# Altium PCB UltraZohm_Analog_Adapter_MAX11331.PcbDoc (part 1 of 2)
Units mm, origin at the board's own origin, x right, y up, seen from the top; angles counter-clockwise.
Board outline 100 x 100 mm, 4 copper layers (Top Layer, GND, VCC, Bottom Layer), stack 1.587 mm thick; 116 components, 143 nets, 539 pads, 190 vias.
Unrouted connection lines stored in the file: 122.
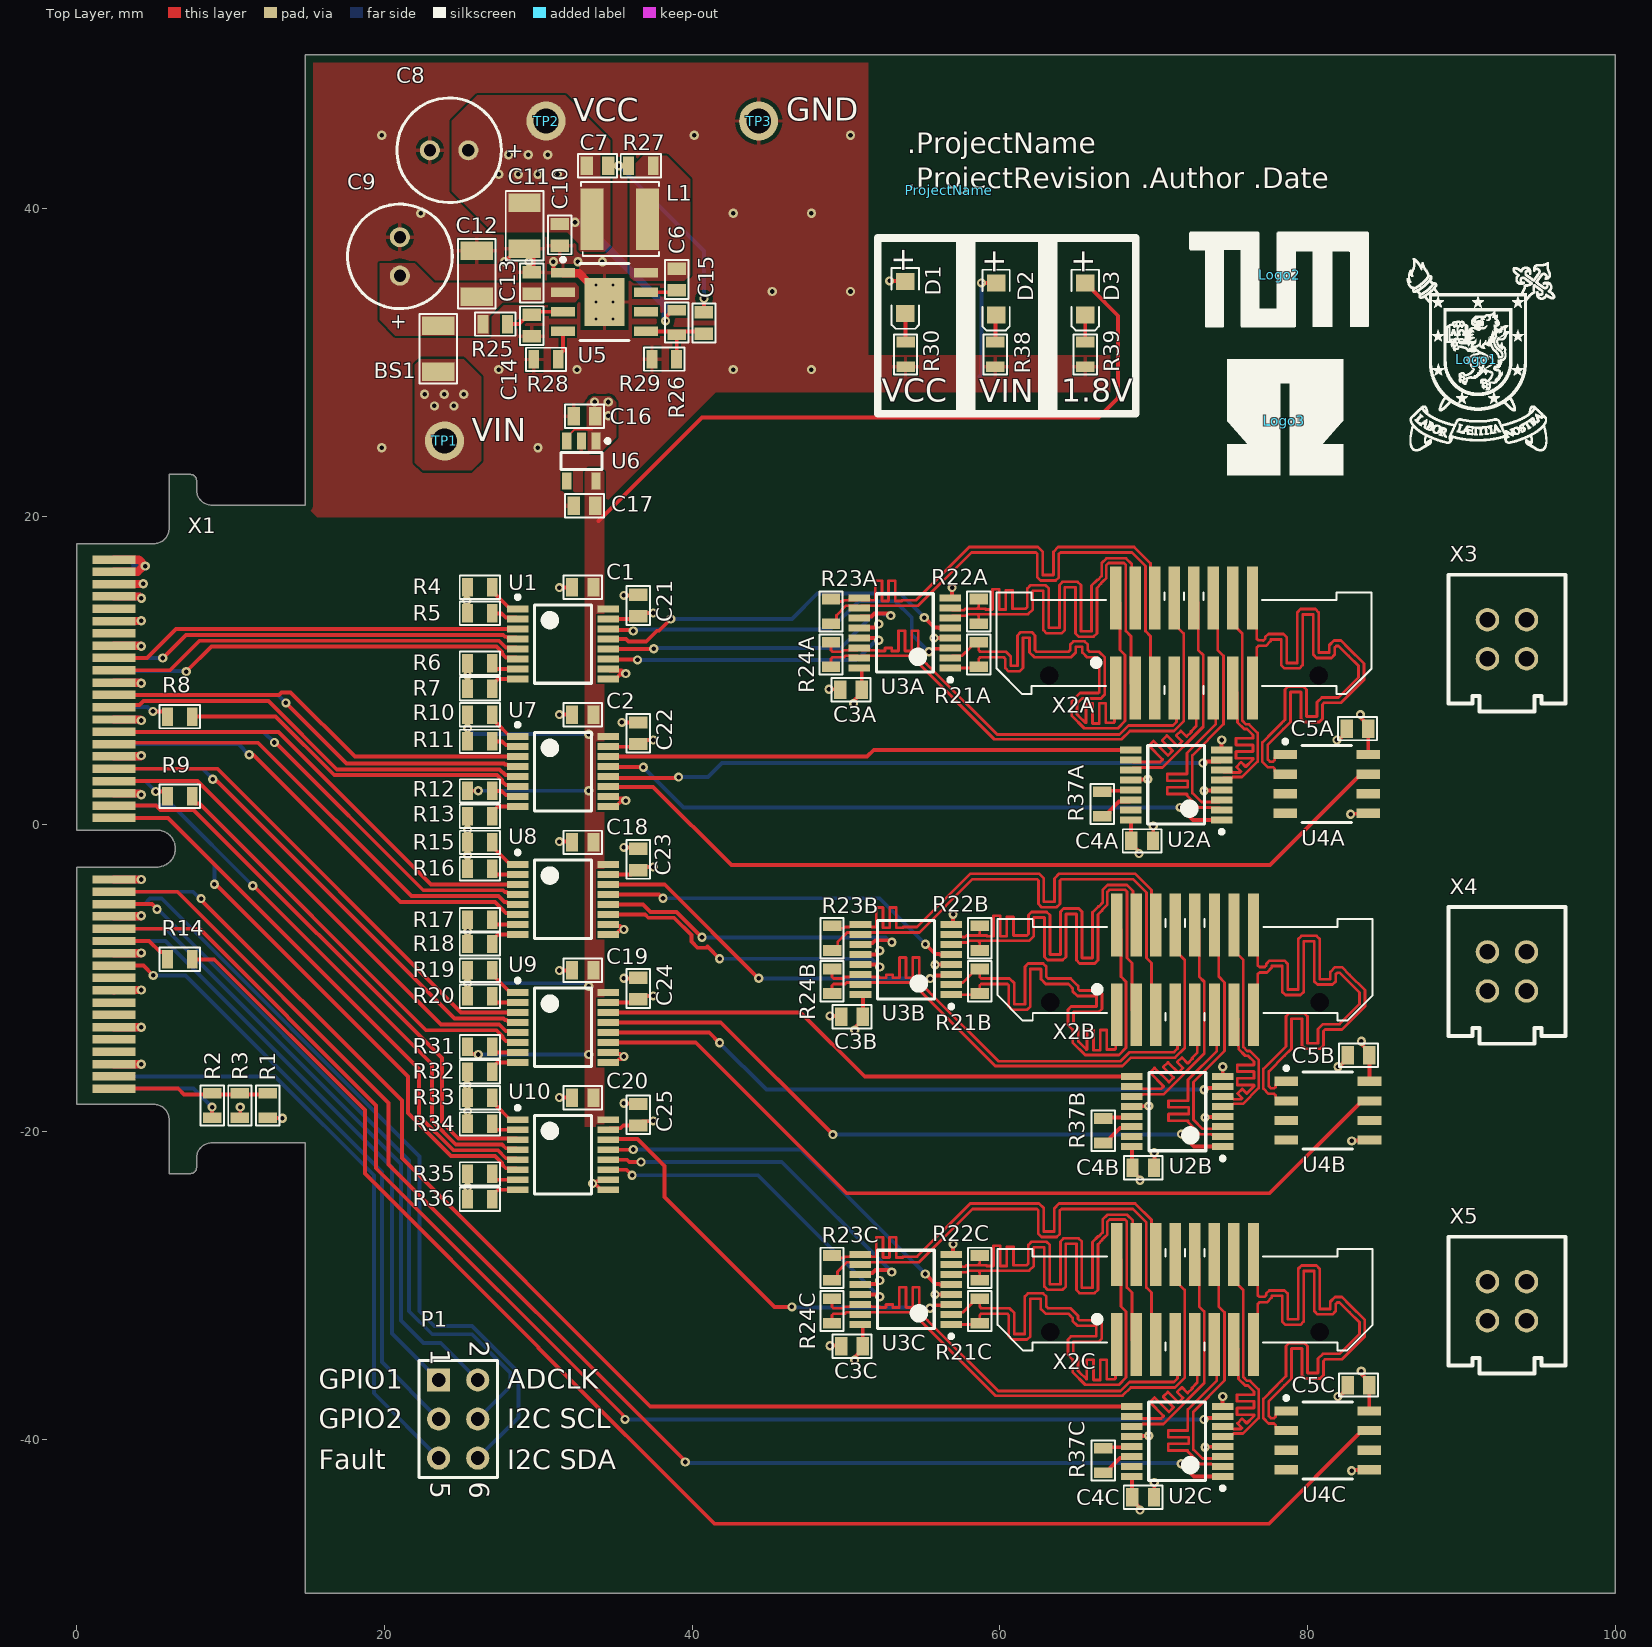
[diagram p0: Top Layer view]
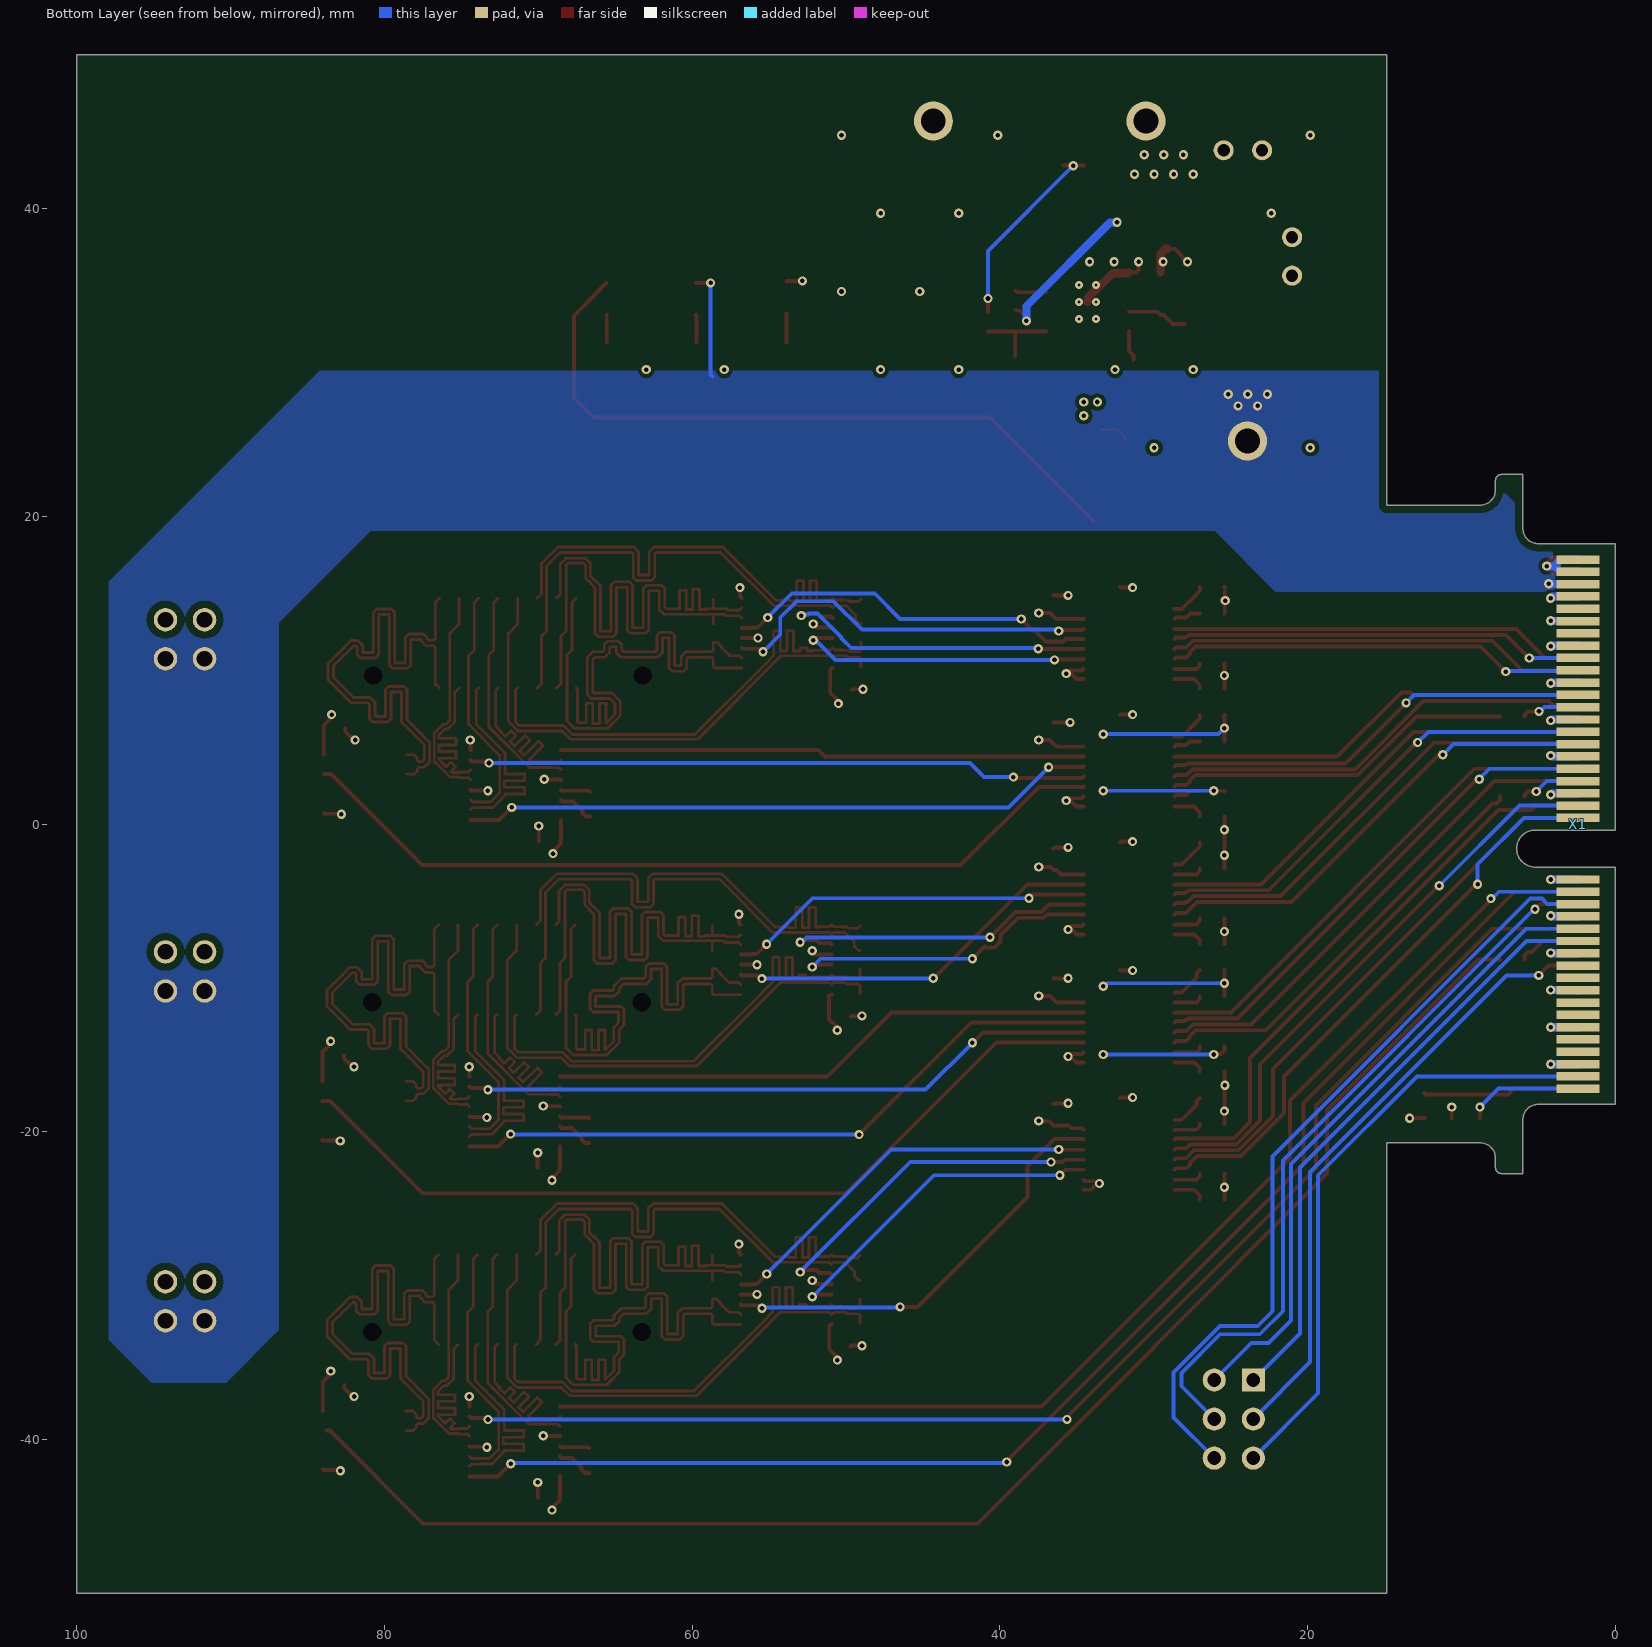
[diagram p1: Bottom Layer view, seen from below]
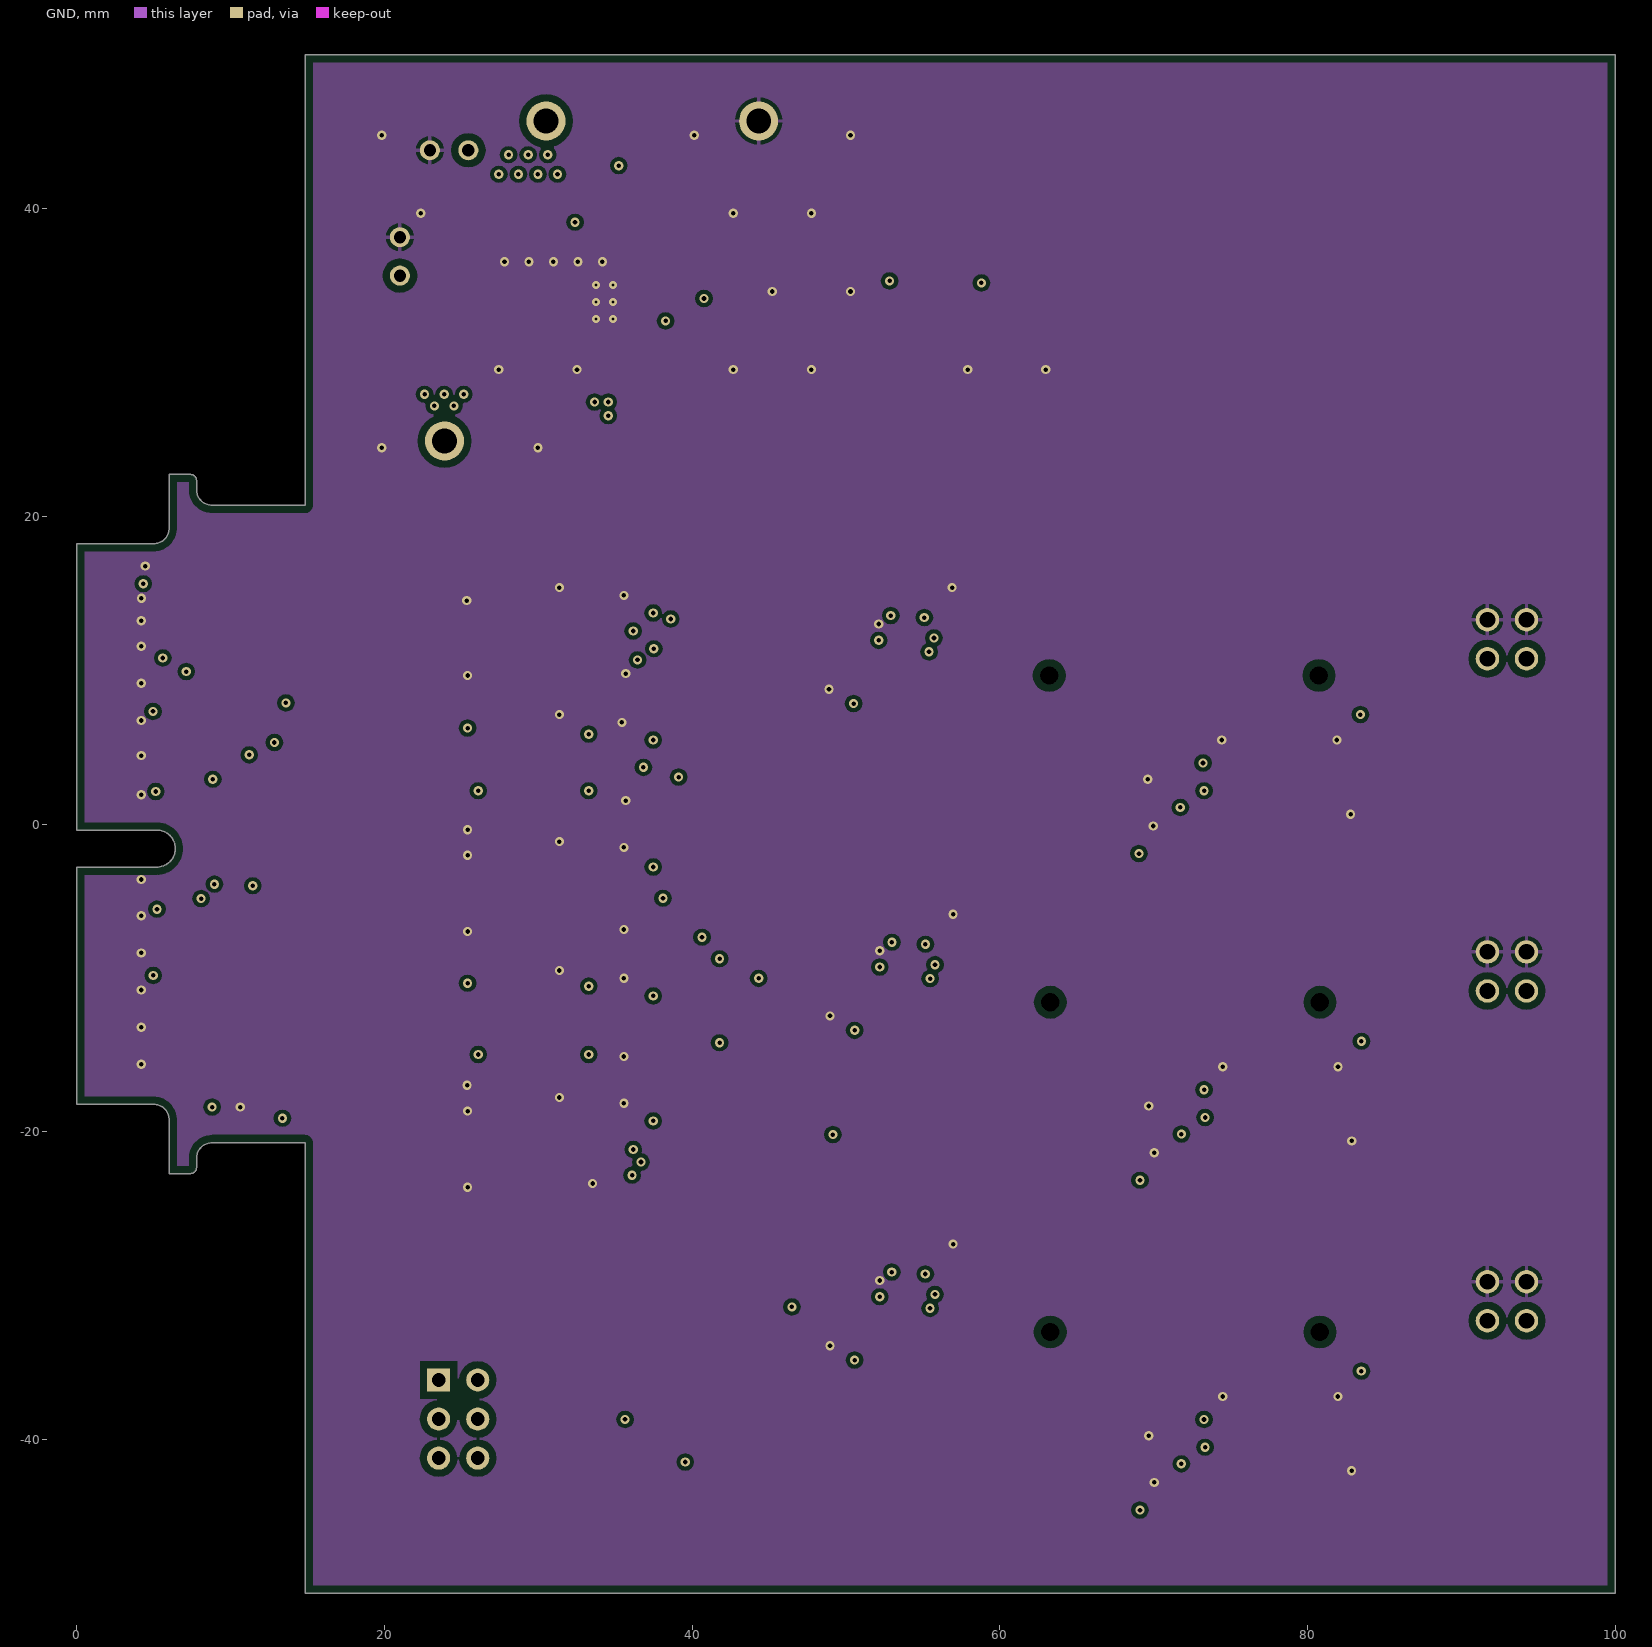
[diagram p2: GND]
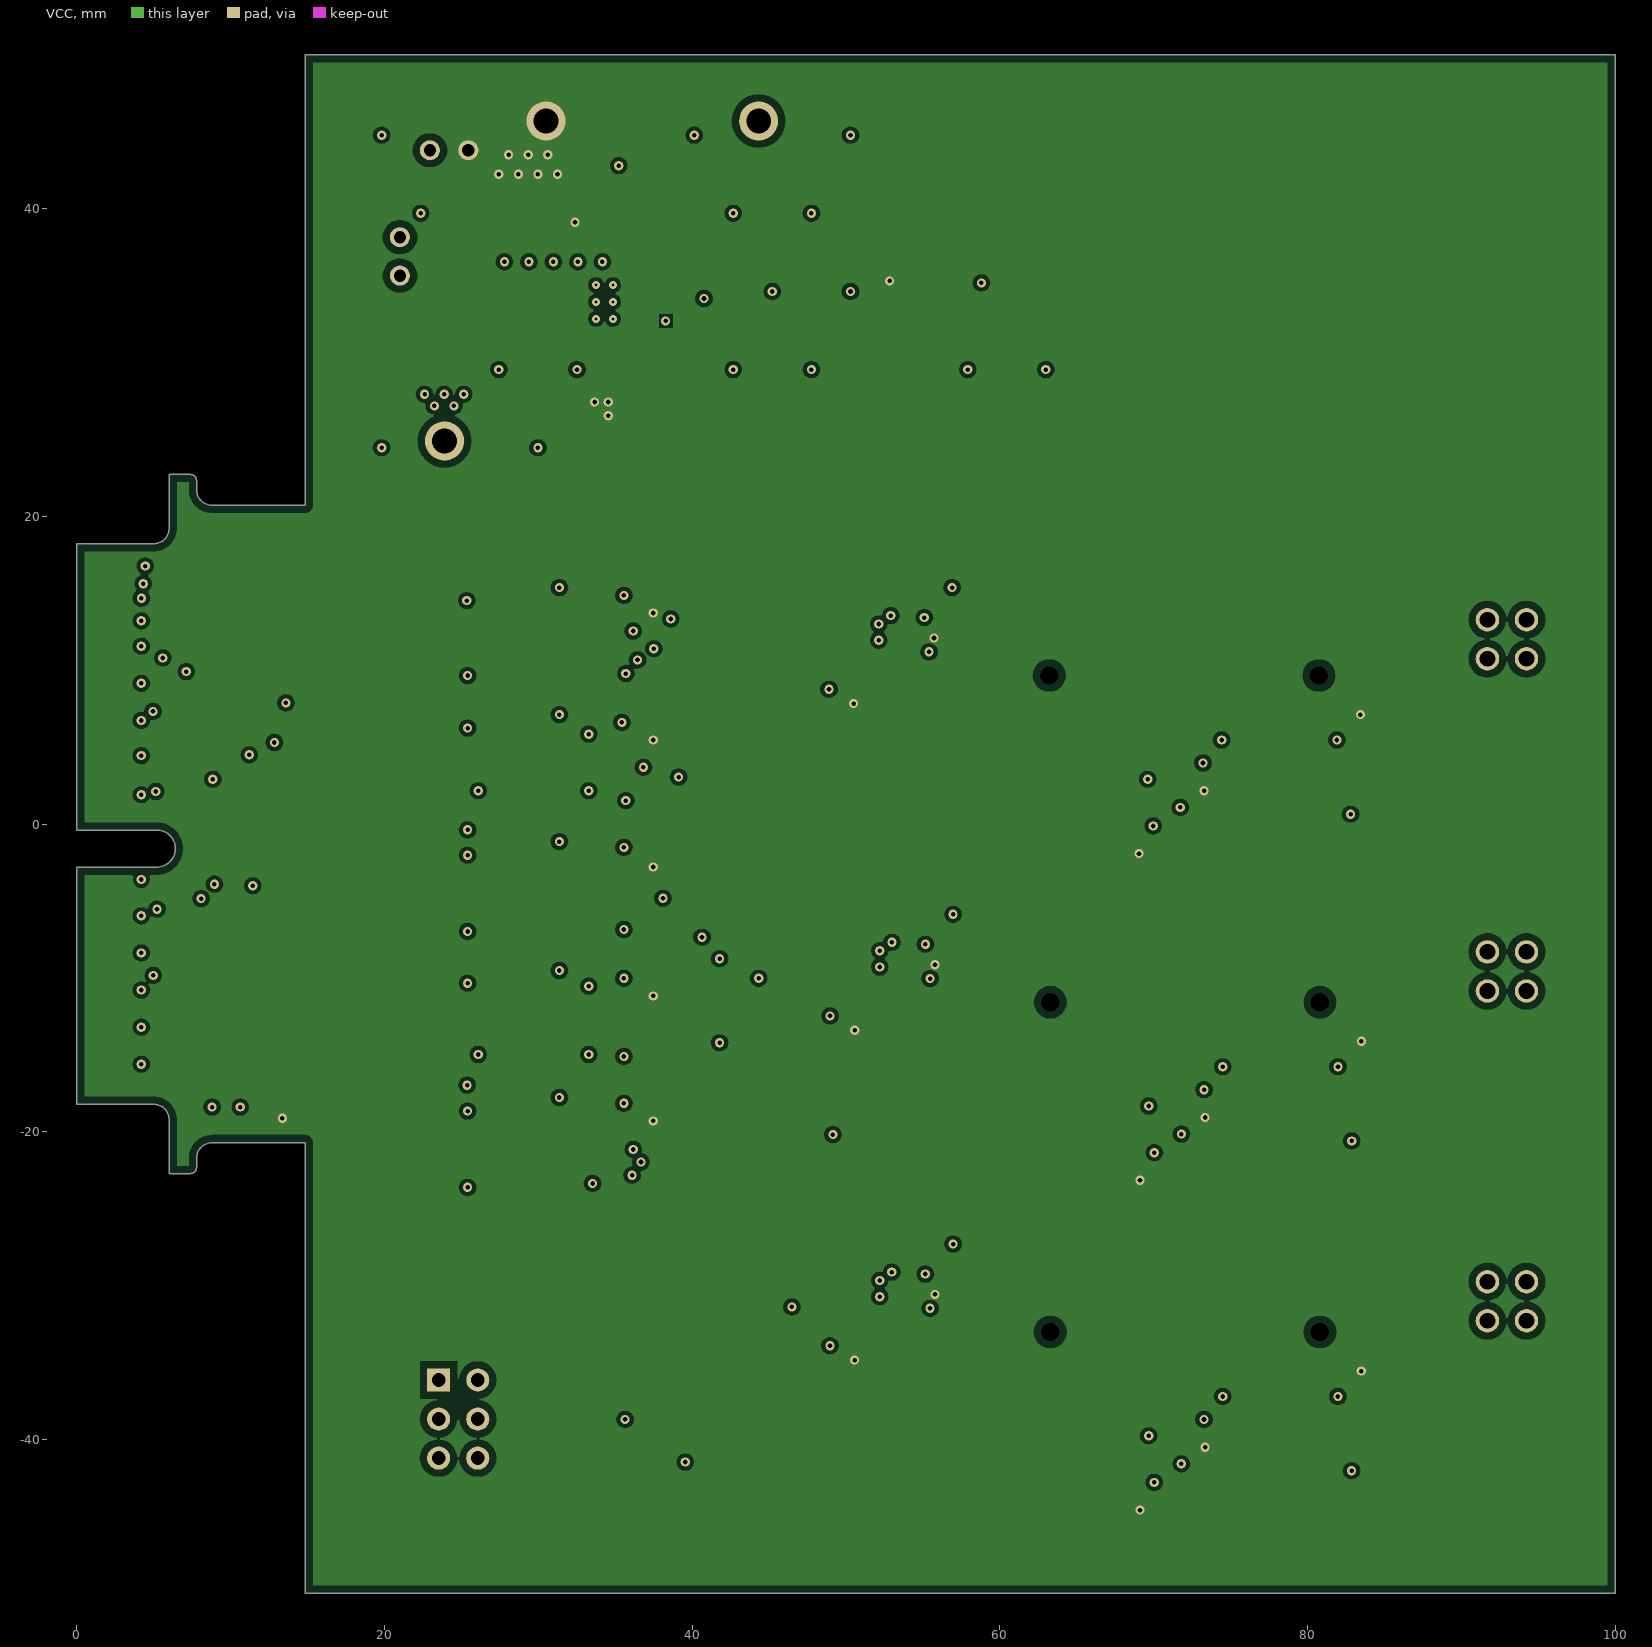
[diagram p3: VCC]
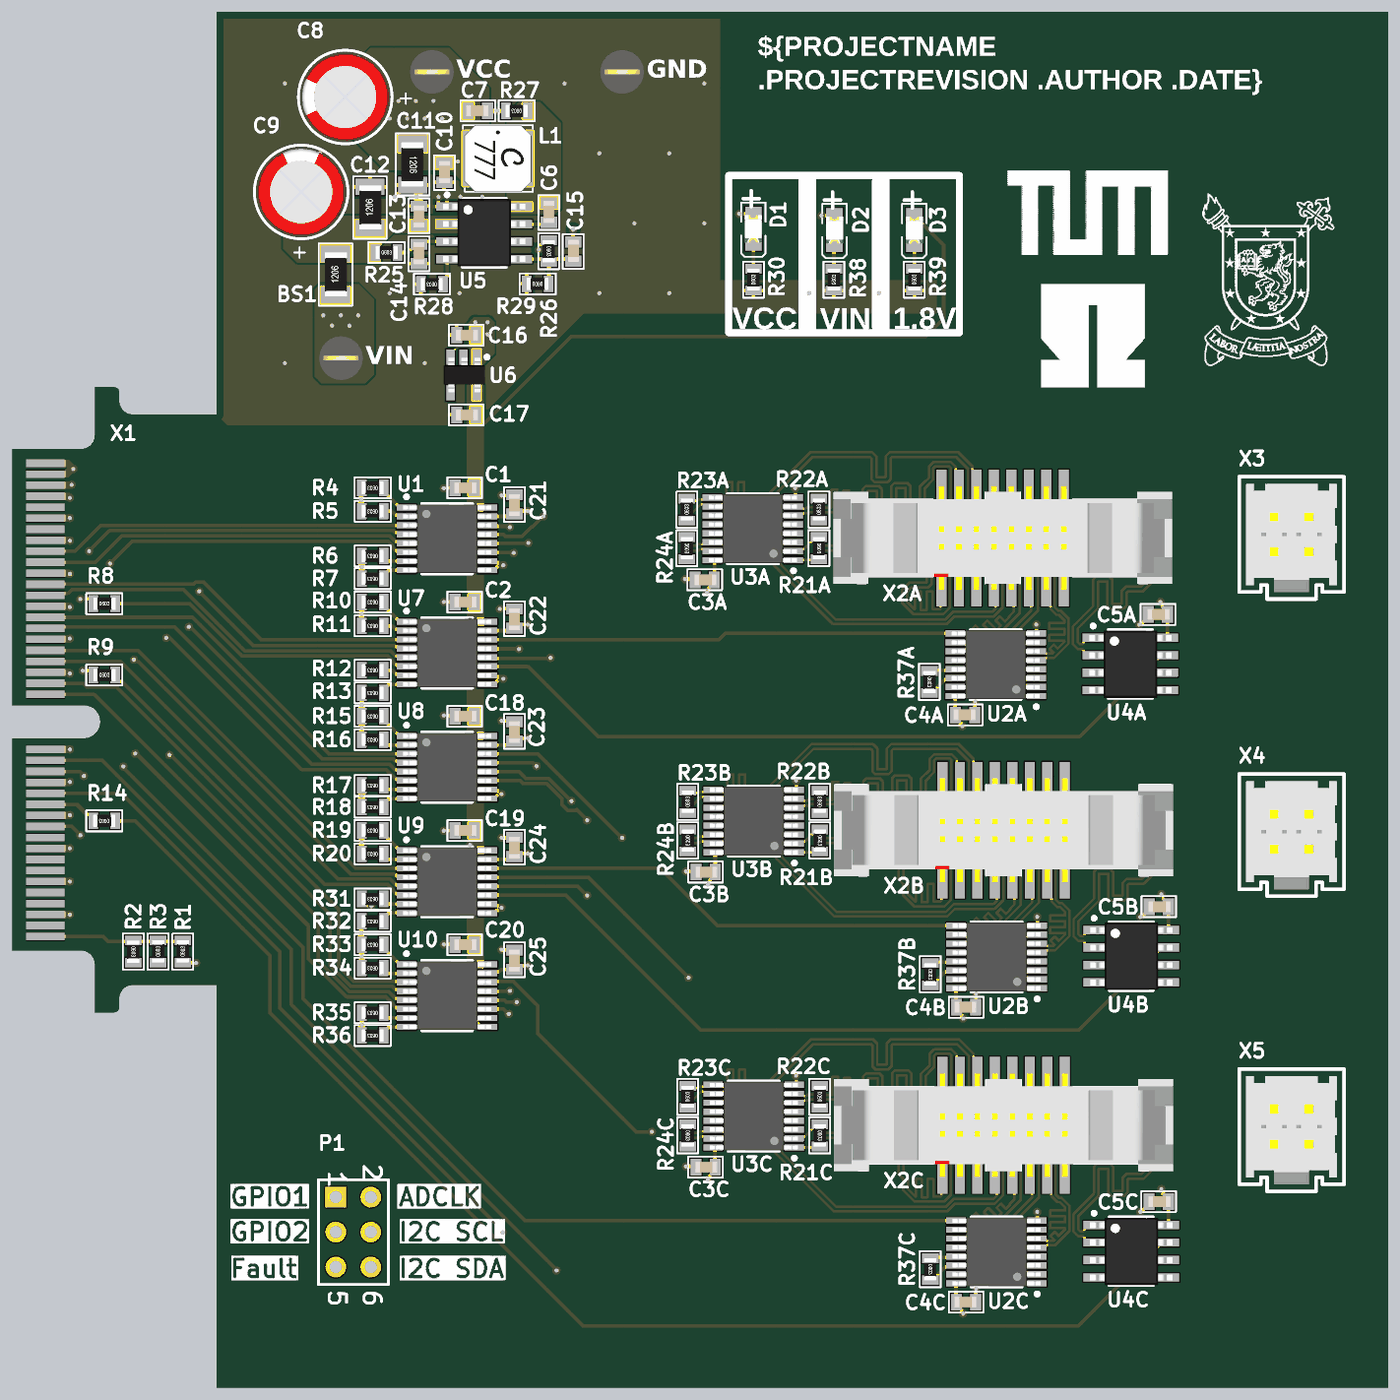
[diagram p5: 3D render of the assembled board from above, using the file's embedded part models]

## Layer stack, top to bottom
Top Solder: solder mask 0.0102, Solder Resist, Dk 3.5
Top Layer: signal copper 0.035
Dielectric 2: prepreg 0.2083, PP-022, Dk 4.5
GND: signal copper 0.035
Dielectric 1: dielectric 1.03, FR-4, Dk 4.8
VCC: signal copper 0.035
Dielectric 3: prepreg 0.2083, PP-022, Dk 4.5
Bottom Layer: signal copper 0.035
Bottom Solder: solder mask 0.0102, Solder Resist, Dk 3.5

## Board outline
0.779,-18.225 5,-18.225 cw(c5,-19.225) 6,-19.225 6,-22.725 7.38,-22.725 ccw(c7.38,-22.325) 7.78,-22.325 7.78,-21.725 cw(c8.78,-21.725) 8.78,-20.725 14.84,-20.725 14.84,-50 100,-50 100,50 14.84,50 14.84,20.725 8.78,20.725 cw(c8.78,21.725) 7.78,21.725 7.78,22.325 ccw(c7.38,22.325) 7.38,22.725 6,22.725 6,19.225 cw(c5,19.225) 5,18.225 0,18.225 0,-0.4 5.2,-0.4 cw(c5.2,-1.6) 5.2,-2.8 0,-2.8 0,-18.225

## Design rules (kind name [scope] priority, off if disabled: settings)
BoardOutlineClearance [All] p1: gap=0.508 ignorepadtopadclearanceinfootprint=FALSE except(0: Arc-SplitContinuation Track-SplitContinuation SMDPad-SplitContinuation THPad-SplitContinuation Via-SplitContinuation Fill-SplitContinuation Poly-SplitContinuation Region-SplitContinuation Text-OutlineEdge Text-CavityEdge Text-CutoutEdge Text-SplitBarrior Text-SplitContinuation)
Clearance [All] p1: gap=0.127 ignorepadtopadclearanceinfootprint=TRUE except(0: Arc-Text Track-Text SMDPad-Text THPad-Text Via-Text Fill-Text Poly-Text Region-Text Text-Text; 0.152: SMDPad-SMDPad; 0.254: Arc-Via Track-Via SMDPad-Via Via-Via Via-Fill Via-Poly Via-Region; 0.457: Arc-THPad Track-THPad SMDPad-THPad THPad-THPad THPad-Via THPad-Fill THPad-Poly THPad-Region THPad-Hole Via-Hole)
DiffPairsRouting [All] p1: maxlimit=0.254 minlimit=0.127 mostfreqgap=0.178 toplayer_minwidth=0.127 toplayer_maxwidth=0.381 toplayer_prefwidth=0.178 midlayer1_minwidth=0.127 midlayer1_maxwidth=0.381 midlayer1_prefwidth=0.178 midlayer2_minwidth=0.127 midlayer2_maxwidth=0.381 midlayer2_prefwidth=0.178 bottomlayer_minwidth=0.127 bottomlayer_maxwidth=0.381 bottomlayer_prefwidth=0.178 maxuncoupledlength=12.7
HoleSize [All] p1: absolutevalues=TRUE maxlimit=6.3 minlimit=0.2 maxpercent=80.000 minpercent=20.000
HoleToHoleClearance [All] p1: gap=0.5 allowstackedmicrovias=TRUE
MatchedLengths MatchedLengths_Diff_within [InNetClass('Match')] p1: tolerance=1.397 checknetsindiffpair=TRUE checkdiffpairvsdiffpair=FALSE checkxsignals=FALSE checkothers=FALSE
MatchedLengths MatchedLengths_Diff [InNetClass('Match')] p2: tolerance=3.81 checknetsindiffpair=FALSE checkdiffpairvsdiffpair=TRUE checkxsignals=TRUE checkothers=TRUE
MatchedLengths MatchedLengths_Diff_Rtn_within [InNetClass('All Nets')] p3: tolerance=1.397 checknetsindiffpair=TRUE checkdiffpairvsdiffpair=FALSE checkxsignals=FALSE checkothers=FALSE
MatchedLengths MatchedLengths_Diff_Rtn [InNetClass('Match_Rtrn')] p4: tolerance=3.81 checknetsindiffpair=FALSE checkdiffpairvsdiffpair=TRUE checkxsignals=TRUE checkothers=TRUE
MinimumAnnularRing [All] p1: minimumring=0.13
MinimumSolderMaskSliver [All] p1: minsoldermaskwidth=0.145
PlaneClearance [All] p1: clearance=0.254
PolygonConnect PolygonConnect_gnd [InNet('GND')] p1: thpad.connectstyle=Relief thpad.reliefconductorwidth=0.254 thpad.reliefentries=4 thpad.polygonreliefangle="90 Angle" thpad.airgapwidth=0.254 smdpad.connectstyle=Relief smdpad.reliefconductorwidth=0.254 smdpad.reliefentries=4 smdpad.polygonreliefangle="90 Angle" smdpad.airgapwidth=0.254 via.connectstyle=Direct via.reliefconductorwidth=0.254 via.reliefentries=4 via.polygonreliefangle="90 Angle" via.airgapwidth=0.254
PolygonConnect [All] p2: connectstyle=Direct reliefconductorwidth=0.254 reliefentries=4 polygonreliefangle="90 Angle" airgapwidth=0.254
RoomDefinition "Power Supply" [InComponentClass('Power Supply')] p1: confinementstyle=ConfineIn formatcopy=TRUE lockcomponents=FALSE outline 17.121,32.153 17.121,40.779 20.321,40.779 20.321,47.679 28.947,47.679 28.947,47.467 46.164,47.467 46.164,38.035 55.063,38.035 55.063,37.935 66.763,37.935 66.763,31.778 66.631,31.778 66.631,28.899 35.004,28.899 35.004,21.394 34.577,21.394 34.577,19.623 31.422,19.623 31.422,21.394 31.108,21.394 31.108,22.984 22.059,22.984 22.059,28.323 21.962,28.323 21.962,32.153
RoomDefinition LVDS3 [InComponentClass('LVDS3')] p2: confinementstyle=ConfineIn formatcopy=TRUE lockcomponents=FALSE outline 47.943,-44.963 85.154,-44.963 85.154,-24.389 47.943,-24.389
RoomDefinition LVDS2 [InComponentClass('LVDS2')] p3: confinementstyle=ConfineIn formatcopy=TRUE lockcomponents=FALSE outline 47.947,-23.525 85.158,-23.525 85.158,-2.951 47.947,-2.951
RoomDefinition LVDS1 [InComponentClass('LVDS1')] p4: confinementstyle=ConfineIn formatcopy=TRUE lockcomponents=FALSE outline 47.879,-2.286 85.09,-2.286 85.09,18.288 47.879,18.288
RoutingVias [All] p1: holewidth=0.3 width=0.6 viastyle="Through Hole" minholewidth=0.2 minwidth=0.45 maxholewidth=0.5 maxwidth=1
SilkToSilkClearance [All] p1: silktosilkclearance=0
SilkToSolderMaskClearance [IsPad] p1: minsilkscreentomaskgap=0.05 clearancetoexposedcopper=TRUE
SolderMaskExpansion [All] p1: expansion=0.102 istentingtop=FALSE
Width [All] p1: maxlimit=0.762 minlimit=0.127 preferedwidth=0.254
23 further rules are at their usual default settings.

## Classes and differential pairs
net class SPI_C: CS3 MOSI3 SCLK3 SCLKRTN3
net class Match: CSA_N CSA_P CSB_N CSB_P CSC_N CSC_P MOSIA_N MOSIA_P MOSIB_N MOSIB_P MOSIC_N MOSIC_P SCLKA_N SCLKA_P SCLKB_N SCLKB_P SCLKC_N SCLKC_P
net class Match_Rtrn: MISOAA_N MISOAA_P MISOAB_N MISOAB_P MISOAC_N MISOAC_P MISOBA_N MISOBA_P MISOBB_N MISOBB_P MISOBC_N MISOBC_P MISOCA_N MISOCA_P MISOCB_N MISOCB_P MISOCC_N MISOCC_P MISODA_N MISODA_P MISODB_N MISODB_P MISODC_N MISODC_P SCLKRTNA_N SCLKRTNA_P SCLKRTNB_N SCLKRTNB_P SCLKRTNC_N SCLKRTNC_P
channel class SPI_LVDS: LVDS1 LVDS2 LVDS3
component class "Power Supply": BS1 C6 C7 C8 C9 C10 C11 C12 C13 C14 C15 C16 C17 D1 D2 D3 L1 R25 R26 R27 R28 R29 R30 R38 R39 TP1 TP2 TP3 U5 U6
component class LVDS3: C3C C4C C5C R21C R22C R23C R24C R37C U2C U3C U4C X2C
component class LVDS2: C3B C4B C5B R21B R22B R23B R24B R37B U2B U3B U4B X2B
component class LVDS1: C3A C4A C5A R21A R22A R23A R24A R37A U2A U3A U4A X2A
differential pair SCLKRTNC: +SCLKRTNC_P -SCLKRTNC_N
differential pair SCLKRTNB: +SCLKRTNB_P -SCLKRTNB_N
differential pair SCLKRTNA: +SCLKRTNA_P -SCLKRTNA_N
differential pair SCLKC: +SCLKC_P -SCLKC_N
differential pair SCLKB: +SCLKB_P -SCLKB_N
differential pair SCLKA: +SCLKA_P -SCLKA_N
differential pair MOSIC: +MOSIC_P -MOSIC_N
differential pair MOSIB: +MOSIB_P -MOSIB_N
differential pair MOSIA: +MOSIA_P -MOSIA_N
differential pair MISODC: +MISODC_P -MISODC_N
differential pair MISODB: +MISODB_P -MISODB_N
differential pair MISODA: +MISODA_P -MISODA_N
differential pair MISOCC: +MISOCC_P -MISOCC_N
differential pair MISOCB: +MISOCB_P -MISOCB_N
differential pair MISOCA: +MISOCA_P -MISOCA_N
differential pair MISOBC: +MISOBC_P -MISOBC_N
differential pair MISOBB: +MISOBB_P -MISOBB_N
differential pair MISOBA: +MISOBA_P -MISOBA_N
differential pair MISOAC: +MISOAC_P -MISOAC_N
differential pair MISOAB: +MISOAB_P -MISOAB_N
differential pair MISOAA: +MISOAA_P -MISOAA_N
differential pair CSC: +CSC_P -CSC_N
differential pair CSB: +CSB_P -CSB_N
differential pair CSA: +CSA_P -CSA_N
